# KiCad board B1_panel.kicad_pcb (continued)
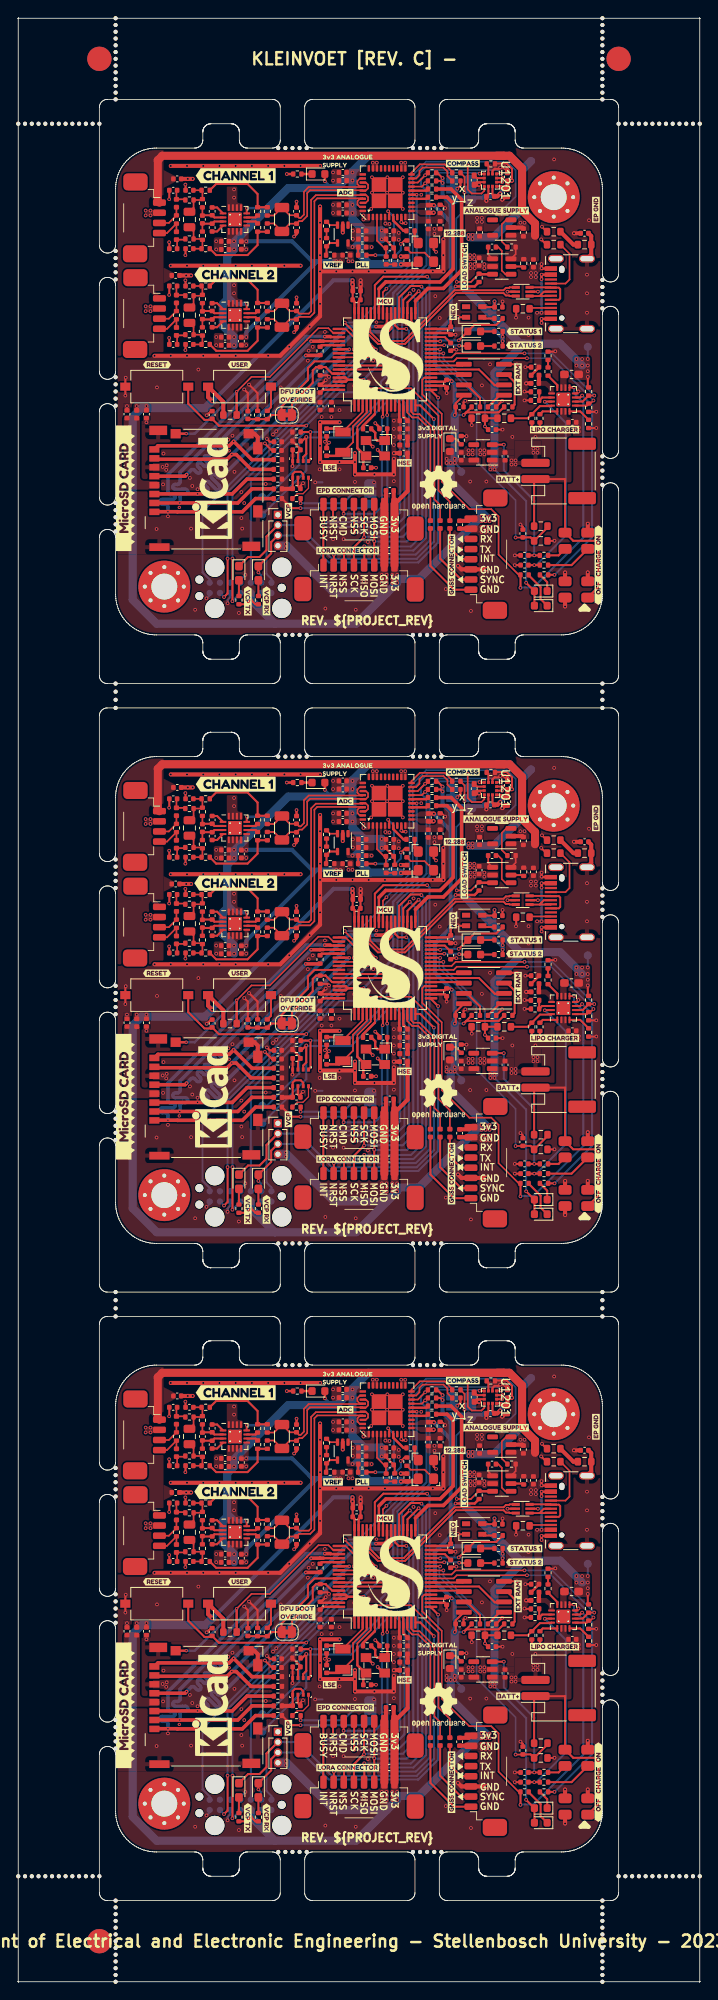
[diagram p0: board, top side]
## Nets (continued)
Board1_1-GND: C101#3.2 C102#3.2 C103#2.2 C104.2 C105#3.2 C106#3.2 C107#2.2 C201.2 C202#2.2 C203#2.2 C204.2 C205#2.2 C206#2.2 C306#2.2 C401#3.2 C402.2 C403.2 C404.2 C405#2.2 C406#3.2 C407.2 C408#2.2 C409.2 C410.2 C411#3.2 C412.2 C415.2 C416.2 C417.2 C501#2.2 C502#3.1 C601.2 C602#2.1 C701#2.2 C702.2 C705#2.2 C708#3.1 C709#2.1 C711#2.2 C712.2 C801.2 C802#3.2 C805#2.2 C808.1 C809#3.1 C811#2.2 C812.2 C901.2 C902#2.2 C903.2 C904#2.2 C905.2 C906.2 C907#3.2 C908#3.2 C909#2.2 C910#2.2 C911#3.2 C1201.1 C1202#2.2 CB101#2.2 CB102.2 CB103#3.2 CB104.2 CB105.2 CB106.2 CB107#2.1 CB108.2 CB201.2 CB401.2 CB901#2.2 CB902.2 CB903.2 CB904#2.2 CB906#3.2 CB907#3.2 CB1201#2.2 CB1202#2.2 CB1301#2.2 CB1409#2.2 CB1410.2 D105.2 H201.1 H202#2.1 J201.2 J202#3.5 J202#3.7 J202#3.11 J203#3.1 J204#3.6 J204#3.9 J204#3.11 J205.2 J206.A1 J206.A12 J206.B1 J206.B12 J207#2.2 J301#3.2 J301#3.6 J501.3 J601.3 JP401#2.1 JP402.1 JP1401.1 R1.1 R101#2.2 R208#2.1 R209#3.1 R210#2.1 R403.2 R901#2.2 R903#2.2 R904.2 R906#3.2 R907#3.2 R909#3.2 R914#3.2 R916.2 R917.2 R918#2.1 R919#2.1 R1303#2.2 SW101#3.2 SW901#3.2 SW901#3.4 SW901#3.5 SW901#3.6 U101#2.12 U101#2.18 U101#2.31 U101#2.47 U101#2.63 U201#3.2 U401#3.1 U401#3.5 U401#3.9 U401#3.11 U401#3.21 U401#3.22 U401#3.28 U401#3.29 U401#3.EP U402#3.2 U701.13 U701.14 U701.15 U701.16 U701.17 U801.13 U801.14 U801.15 U801.16 U801.17 U901.8 U901.17 U902.2 U903#2.2 U904.2 U1201#3.2 U1201#3.6 U1201#3.8 U1201#3.11 U1201#3.12 U1301#2.4 U1401#2.1 U1401#2.7 X401#3.2 Y101#2.2 Y101#2.4
Board1_1-Net-(C104-Pad1): C104.1 R106.1 Y101#2.3
Board1_1-Net-(D101-A): D101.2 R102#3.2
Board1_1-Net-(D102-A): D102#3.2 R103#3.2
Board1_1-Net-(D103-A): D103.2 R105.1
Board1_1-Net-(D104-A): D104#3.2 R107#2.1
Board1_1-Net-(D105-DIN): D105.3 R104#3.1
Board1_1-Net-(D901-K): D901.1 R905.2
Board1_1-Net-(D902-K): D902#3.1 R908.2
Board1_1-Net-(D903-K): D903.1 R918#2.2
Board1_1-Net-(D904-K): D904#3.1 R919#2.2
Board1_1-Net-(J301-Pin_5): FB304#3.2 J301#3.5
Board1_1-Net-(JP401-C): JP401#2.2 R408.2
Board1_1-Net-(JP402-C): JP402.2 R407.2
Board1_1-Net-(R108-Pad2): R108#2.2 SW102.2
Board1_1-Net-(R210-Pad2): R210#2.2 R211#2.1
Board1_1-Net-(R902-Pad2): R902#3.2 R903#2.1
Board1_1-Net-(U401-ADDR0/CLATCH): R407.1 U401#3.19
Board1_1-Net-(U401-ADDR1/CIN): R408.1 U401#3.20
Board1_1-Net-(U903-EN): R921#3.1 U903#2.3
Board1_1-Net-(U904-QOD): R922.1 U904.5
Board1_1-Net-(U1301-NU): R1301#2.2 U1301#2.3
Board1_1-Net-(U1301-~{CS}): R1303#2.1 U1301#2.1
Board1_1-Net-(U1301-~{HOLD}): R1302#2.2 U1301#2.7
Board1_1-Net-(X401-Tri-State): R404#3.2 X401#3.1
Board1_1-unconnected-(D105-DOUT-Pad1): D105.1
Board1_1-unconnected-(J202-JRCLK/NC-Pad9): J202#3.9
Board1_1-unconnected-(J202-JTDI/NC-Pad10): J202#3.10
Board1_1-unconnected-(J202-NC-Pad1): J202#3.1
Board1_1-unconnected-(J202-NC-Pad2): J202#3.2
Board1_1-unconnected-(J206-SBU1-PadA8): J206.A8
Board1_1-unconnected-(J206-SBU2-PadB8): J206.B8
Board1_1-unconnected-(J301-Pin_3-Pad3): J301#3.3
Board1_1-unconnected-(J301-Pin_4-Pad4): J301#3.4
Board1_1-unconnected-(U401-NC-Pad8): U401#3.8
Board1_1-unconnected-(U401-NC-Pad23): U401#3.23
Board1_1-unconnected-(U401-NC-Pad24): U401#3.24
Board1_1-unconnected-(U401-NC-Pad25): U401#3.25
Board1_1-unconnected-(U401-NC-Pad26): U401#3.26
Board1_1-unconnected-(U401-NC-Pad27): U401#3.27
Board1_1-unconnected-(U401-NC-Pad30): U401#3.30
Board1_1-unconnected-(U401-SDATAOUT1-Pad13): U401#3.13
Board1_1-unconnected-(U902-NC-Pad4): U902.4
Board1_1-unconnected-(U903-NC-Pad4): U903#2.4
Board1_1-VAA: C202#2.1 FB201#3.2 J204#3.4
Board1_1-VBUS: C904#2.1 FB903.1 J206.A4 J206.A9 J206.B4 J206.B9 U201#3.5
Board1_1-VCC: C906.1 C907#3.1 C912.2 CB108.1 D105.4 D901.2 D902#3.2 F901.2 R912#3.2 TP902.1 U902.1 U904.1
Board1_1-VCC_LOAD_SWITCH: C416.1 C417.1 C905.1 C911#3.1 J501.4 J601.4 R921#3.2 R922.2 U903#2.1 U904.6
Board1_2-+3.3VA: C902.1 CB901#3.1 CB902#3.1 FB901#2.2 U101.13
Board1_2-+3.3VADC: C401.1 C402#2.1 C403#3.1 C405#3.1 C406.1 C407#3.1 C414#3.2 C415#2.1 C708.2 C712#2.1 C808#3.2 C812#2.1 C910.1 CB401#3.1 D903#3.2 R404.1 R413#2.2 R414#3.2 TP904.1 U401.4 U401.31 U401.40 U402#2.5 U701#3.5 U701#3.6 U701#3.7 U701#3.8 U701#3.12 U801#2.5 U801#2.6 U801#2.7 U801#2.8 U801#2.12 U903#3.5 X401.4
Board1_2-+3V3: C103.1 C107.1 C201#3.1 C204#2.1 C205.1 C206.1 C306.1 C408#3.1 C901#3.1 C909#3.1 C1202.1 CB101.1 CB103.1 CB104#3.1 CB105#2.1 CB106#3.1 CB201#3.1 CB1201#3.1 CB1202.1 CB1301.1 CB1409#3.1 CB1410#2.1 D904#2.2 FB201#2.1 FB901#2.1 J202.3 J203.4 J205#3.1 J207#3.1 J301#2.1 JP401.3 JP402#2.3 JP1401#3.3 R102#2.1 R103#2.1 R105#2.2 R107.2 R201#3.2 R202#3.2 R203.2 R204#3.2 R205.2 R206.1 R410#2.2 R412#3.2 R920.2 R1201#3.1 R1301#3.1 R1302.1 R1401#2.2 R1402#3.2 SW102#3.1 TP903#3.1 U101.1 U101.19 U101.32 U101.48 U101.64 U401.12 U902#3.5 U1201#2.9 U1201#2.10 U1301.8 U1401#3.2 U1401#3.6 U1401#3.8
Board1_2-+BATT: C903#3.1 J201#2.1 R913#2.1 SW901.1 SW901.8 U901#2.2 U901#2.3
Board1_2-/ADC_Interface/ADC_1_N: C710.2 C711.1 R710#2.1 U401.32 U401.34
Board1_2-/ADC_Interface/ADC_1_P: C709#3.2 C710.1 R709.1 U401.33 U401.35
Board1_2-/ADC_Interface/ADC_2_N: C810#2.2 C811.1 R810#3.1 U401.36 U401.38
Board1_2-/ADC_Interface/ADC_2_P: C809.2 C810#2.1 R809#3.1 U401.37 U401.39
Board1_2-/ADC_Interface/ADC_AA_1/FB: C706#2.1 U701#3.4
Board1_2-/ADC_Interface/ADC_AA_1/FB_N: C701.1 C703#3.2 R701.1 R703.2 R705.2
Board1_2-/ADC_Interface/ADC_AA_1/FB_P: C702#3.1 C703#3.1 R702#3.1 R704#3.2 R706.2
Board1_2-/ADC_Interface/ADC_AA_1/IN: C704#3.1 C707#3.2 R704#3.1 U701#3.2
Board1_2-/ADC_Interface/ADC_AA_1/OUT: R707.2 U701#3.10
Board1_2-/ADC_Interface/ADC_AA_1/OUT_DRIVER: R705.1 R707.1 R709.2
Board1_2-/ADC_Interface/ADC_AA_1/~{FB}: C707#3.1 U701#3.1
Board1_2-/ADC_Interface/ADC_AA_1/~{IN}: C704#3.2 C706#2.2 R703.1 U701#3.3
Board1_2-/ADC_Interface/ADC_AA_1/~{OUT_DRIVER}: R706.1 R708#3.1 R710#2.2
Board1_2-/ADC_Interface/ADC_AA_1/~{OUT}: R708#3.2 U701#3.11
Board1_2-/ADC_Interface/ADC_AA_2/FB: C806#3.1 U801#2.4
Board1_2-/ADC_Interface/ADC_AA_2/FB_N: C801#2.1 C803.2 R801#3.1 R803#3.2 R805.2
Board1_2-/ADC_Interface/ADC_AA_2/FB_P: C802.1 C803.1 R802#3.1 R804#3.2 R806#2.2
Board1_2-/ADC_Interface/ADC_AA_2/IN: C804#2.1 C807#3.2 R804#3.1 U801#2.2
Board1_2-/ADC_Interface/ADC_AA_2/OUT: R807.2 U801#2.10
Board1_2-/ADC_Interface/ADC_AA_2/OUT_DRIVER: R805.1 R807.1 R809#3.2
Board1_2-/ADC_Interface/ADC_AA_2/~{FB}: C807#3.1 U801#2.1
Board1_2-/ADC_Interface/ADC_AA_2/~{IN}: C804#2.2 C806#3.2 R803#3.1 U801#2.3
Board1_2-/ADC_Interface/ADC_AA_2/~{OUT_DRIVER}: R806#2.1 R808.1 R810#3.2
Board1_2-/ADC_Interface/ADC_AA_2/~{OUT}: R808.2 U801#2.11
Board1_2-/ADC_Interface/ADC_PORT_1_SIG_N: C502#2.2 FB502#3.2 R701.2
Board1_2-/ADC_Interface/ADC_PORT_1_SIG_P: C501#3.1 FB501#3.2 R702#3.2
Board1_2-/ADC_Interface/ADC_PORT_2_SIG_N: C602.2 FB602#3.2 R801#3.2
Board1_2-/ADC_Interface/ADC_PORT_2_SIG_P: C601#3.1 FB601#2.2 R802#3.2
Board1_2-/ADC_Interface/ADC_VDD: C411.1 C412#2.1 R403#2.1 U401.10
Board1_2-/ADC_Interface/ADC_~{RST}: R413#2.1 U401.6
Board1_2-/ADC_Interface/BCLK: R409#2.2 U401.16
Board1_2-/ADC_Interface/CLK: R405#2.1 U401.7
Board1_2-/ADC_Interface/CLK_12.288: R405#2.2 X401.3
Board1_2-/ADC_Interface/FB: R401#3.2 U402#2.3
Board1_2-/ADC_Interface/FB_MID: R401#3.1 R402#2.2
Board1_2-/ADC_Interface/PLL: C413#3.1 C414#3.1 U401.3
Board1_2-/ADC_Interface/PLL_MID: C413#3.2 R414#3.1
Board1_2-/ADC_Interface/SDATA: R411#2.2 U401.14
Board1_2-/ADC_Interface/Sensor_Conn_1/SIG_CONN_N: FB502#3.1 J501#2.1 R501#2.2
Board1_2-/ADC_Interface/Sensor_Conn_1/SIG_CONN_P: FB501#3.1 J501#2.2 R501#2.1
Board1_2-/ADC_Interface/Sensor_Conn_2/SIG_CONN_N: FB602#3.1 J601#3.1 R601#3.2
Board1_2-/ADC_Interface/Sensor_Conn_2/SIG_CONN_P: FB601#2.1 J601#3.2 R601#3.1
Board1_2-/ADC_Interface/VCM: C404#3.1 C705#3.1 C805.1 R406#2.1 U701#3.9 U801#2.9
Board1_2-/ADC_Interface/VREF: C409#3.1 C410#2.1 U401.2 U402#2.1
Board1_2-/ADC_Interface/VREF_BUFF: R402#2.1 R406#2.2 U402#2.4
Board1_2-/ADC_SAI_BCLK: R409#2.1 U101.33
Board1_2-/ADC_SAI_FS: U101.61 U101.62 U401.15
Board1_2-/ADC_SAI_SD_B: R411#2.1 U101.42
Board1_2-/BATT_~{CHG}: R908#2.1 U101.20 U901#2.9
Board1_2-/BOOT0: JP101#3.1 R101#3.1 U101.60
Board1_2-/CHARGE_EN1: R912#2.1 U101.25 U901#2.6
Board1_2-/CHARGE_EN2: R917#2.1 U101.24 U901#2.5
Board1_2-/CompassMagnetometer/CHARGE_PUMP: C1201#2.2 U1201#2.5
Board1_2-/CompassMagnetometer/~{CS}: R1201#3.2 U1201#2.3
Board1_2-/CONN_MISO: J205#3.4 U101.35
Board1_2-/CONN_MOSI: J205#3.3 J207#3.3 U101.36
Board1_2-/CONN_SCK: J205#3.5 J207#3.4 U101.34
Board1_2-/Connectors/SDIO_CLK_TERM: J204.5 R207#2.1
Board1_2-/Connectors/USB_CC1: J206#2.A5 R209.2
Board1_2-/Connectors/USB_CC2: J206#2.B5 R208.2
Board1_2-/Connectors/USB_CONN_D+: J206#2.A6 J206#2.B6 U201.4
Board1_2-/Connectors/USB_CONN_D-: J206#2.A7 J206#2.B7 U201.6
Board1_2-/EnviromentalSensor/I2C_ADDR: R1403#3.1 U1401#3.5
Board1_2-/EnviromentalSensor/I2C_ADDR_SEL: JP1401#3.2 R1403#3.2
Board1_2-/EPD_BUSY: J207#3.8 U101.10
Board1_2-/EPD_~{CMD}: J207#3.6 U101.8
Board1_2-/EPD_~{RST}: J207#3.7 U101.9
Board1_2-/EPD_~{SS}: J207#3.5 U101.38
Board1_2-/GNSS_Module/GPS_RX: FB102#3.1 J301#2.7
Board1_2-/GNSS_Module/GPS_TX: FB101.1 J301#2.8
Board1_2-/GPS_RX: FB102#3.2 U101.15
Board1_2-/GPS_SYNC: FB304#2.1 U101.2
Board1_2-/GPS_TX: FB101.2 U101.14
Board1_2-/I2C1_SCL: R410#2.1 R1402#3.1 TP407.1 U101.58 U401.18 U1201#2.1 U1401#3.4
Board1_2-/I2C1_SDA: R412#3.1 R1401#2.1 TP406#3.1 U101.59 U401.17 U1201#2.4 U1401#3.3
Board1_2-/I_CHARGE: CB907.1 R915.2 R916#3.1 U101.26
Board1_2-/LED_STATUS_B: D103#2.1 R104#2.2 U101.29
Board1_2-/LED_STATUS_O: D104.1 U101.28
Board1_2-/LORA_INT: J205#3.8 U101.11
Board1_2-/LORA_~{RST}: J205#3.7 U101.43
Board1_2-/LORA_~{SS}: J205#3.6 U101.37
Board1_2-/MAG_INT: U101.56 U1201#2.7
Board1_2-/OSC_HSE_IN: C102.1 U101.5 Y101.1
Board1_2-/OSC_HSE_OUT: R106#2.2 U101.6
Board1_2-/OSC_LSE_IN: C106.1 U101.3 Y102#2.2
Board1_2-/OSC_LSE_OUT: C105.1 U101.4 Y102#2.1
Board1_2-/Power/C_{T}: C912#3.1 U904#2.4
Board1_2-/Power/DPWR_SW: R911#3.2 SW901.7
Board1_2-/Power/ILIM: R902.1 U901#2.12
Board1_2-/Power/ISET: R901.1 R915.1 U901#2.16
Board1_2-/Power/PWR_SW: R910#2.1 SW901.3
Board1_2-/Power/SYSOFF: CB903#3.1 R910#2.2 U901#2.15
Board1_2-/Power/TEMP_SENS: R909.1 U901#2.1
Board1_2-/Power/TMR: R904#2.1 R906.1 U901#2.14
Board1_2-/Power/VOUT: F901#2.1 U901#2.10 U901#2.11
Board1_2-/Power/~{CE}: R907.1 U901#2.4
Board1_2-/Power/~{PGOOD}: R905#3.1 U901#2.7
Board1_2-/SDIO_CD: J204.10 R206.2 U101.50
Board1_2-/SDIO_CLK: R207#2.2 U101.53
Board1_2-/SDIO_CMD: J204.3 R203.1 U101.54
Board1_2-/SDIO_D0: J204.7 R204#3.1 U101.39
Board1_2-/SDIO_D1: J204.8 R205.1 U101.40
Board1_2-/SDIO_D2: J204.1 R201#3.1 U101.51
Board1_2-/SDIO_D3: J204.2 R202#3.1 U101.52
Board1_2-/SRAM_MISO: U101.22 U1301.2
Board1_2-/SRAM_MOSI: U101.23 U1301.5
Board1_2-/SRAM_SCK: U101.21 U1301.6
Board1_2-/SWCLK: J202.6 U101.49
Board1_2-/SWDIO: J202.4 U101.46
Board1_2-/SWO: J202.8 U101.55
Board1_2-/USB_DN: U101.44 U201.1
Board1_2-/USB_DP: U101.45 U201.3
Board1_2-/USR_BTN: CB107.2 JP101#3.2 R1#2.2 R108.1 U101.57
Board1_2-/V_MONITOR: CB906#2.1 R913#2.2 R914.1 U101.27
Board1_2-/VCAP: C101.1 U101.30
Board1_2-/VCP_RX: D101#3.1 J202.13 J203.3 U101.17
Board1_2-/VCP_TX: D102#2.1 J202.14 J203.2 U101.16
Board1_2-/~{RST}: CB102#2.1 J202.12 SW101.1 U101.7
Board1_2-Earth: C203.1 J206#2.S1 R211#3.2
Board1_2-GND: C101.2 C102.2 C103.2 C104#2.2 C105.2 C106.2 C107.2 C201#3.2 C202#3.2 C203.2 C204#2.2 C205.2 C206.2 C306.2 C401.2 C402#2.2 C403#3.2 C404#3.2 C405#3.2 C406.2 C407#3.2 C408#3.2 C409#3.2 C410#2.2 C411.2 C412#2.2 C415#2.2 C416#3.2 C417#3.2 C501#3.2 C502#2.1 C601#3.2 C602.1 C701.2 C702#3.2 C705#3.2 C708.1 C709#3.1 C711.2 C712#2.2 C801#2.2 C802.2 C805.2 C808#3.1 C809.1 C811.2 C812#2.2 C901#3.2 C902.2 C903#3.2 C904.2 C905#2.2 C906#2.2 C907#2.2 C908#2.2 C909#3.2 C910.2 C911#2.2 C1201#2.1 C1202.2 CB101.2 CB102#2.2 CB103.2 CB104#3.2 CB105#2.2 CB106#3.2 CB107.1 CB108#3.2 CB201#3.2 CB401#3.2 CB901#3.2 CB902#3.2 CB903#3.2 CB904#3.2 CB906#2.2 CB907.2 CB1201#3.2 CB1202.2 CB1301.2 CB1409#3.2 CB1410#2.2 D105#3.2 H201#2.1 H202.1 J201#2.2 J202.5 J202.7 J202.11 J203.1 J204.6 J204.9 J204.11 J205#3.2 J206#2.A1 J206#2.A12 J206#2.B1 J206#2.B12 J207#3.2 J301#2.2 J301#2.6 J501#2.3 J601#3.3 JP401.1 JP402#2.1 JP1401#3.1 R1#2.1 R101#3.2 R208.1 R209.1 R210#3.1 R403#2.2 R901.2 R903.2 R904#2.2 R906.2 R907.2 R909.2 R914.2 R916#3.2 R917#2.2 R918.1 R919.1 R1303#3.2 SW101.2 SW901.2 SW901.4 SW901.5 SW901.6 U101.12 U101.18 U101.31 U101.47 U101.63 U201.2 U401.1 U401.5 U401.9 U401.11 U401.21 U401.22 U401.28 U401.29 U401.EP U402#2.2 U701#3.13 U701#3.14 U701#3.15 U701#3.16 U701#3.17 U801#2.13 U801#2.14 U801#2.15 U801#2.16 U801#2.17 U901#2.8 U901#2.17 U902#3.2 U903#3.2 U904#2.2 U1201#2.2 U1201#2.6 U1201#2.8 U1201#2.11 U1201#2.12 U1301.4 U1401#3.1 U1401#3.7 X401.2 Y101.2 Y101.4
Board1_2-Net-(C104-Pad1): C104#2.1 R106#2.1 Y101.3
Board1_2-Net-(D101-A): D101#3.2 R102#2.2
Board1_2-Net-(D102-A): D102#2.2 R103#2.2
Board1_2-Net-(D103-A): D103#2.2 R105#2.1
Board1_2-Net-(D104-A): D104.2 R107.1
Board1_2-Net-(D105-DIN): D105#3.3 R104#2.1
Board1_2-Net-(D901-K): D901#3.1 R905#3.2
Board1_2-Net-(D902-K): D902.1 R908#2.2
Board1_2-Net-(D903-K): D903#3.1 R918.2
Board1_2-Net-(D904-K): D904#2.1 R919.2
Board1_2-Net-(J301-Pin_5): FB304#2.2 J301#2.5
Board1_2-Net-(JP401-C): JP401.2 R408#2.2
Board1_2-Net-(JP402-C): JP402#2.2 R407#2.2
Board1_2-Net-(R108-Pad2): R108.2 SW102#3.2
Board1_2-Net-(R210-Pad2): R210#3.2 R211#3.1
Board1_2-Net-(R902-Pad2): R902.2 R903.1
Board1_2-Net-(U401-ADDR0/CLATCH): R407#2.1 U401.19
Board1_2-Net-(U401-ADDR1/CIN): R408#2.1 U401.20
Board1_2-Net-(U903-EN): R921#2.1 U903#3.3
Board1_2-Net-(U904-QOD): R922#2.1 U904#2.5
Board1_2-Net-(U1301-NU): R1301#3.2 U1301.3
Board1_2-Net-(U1301-~{CS}): R1303#3.1 U1301.1
Board1_2-Net-(U1301-~{HOLD}): R1302.2 U1301.7
Board1_2-Net-(X401-Tri-State): R404.2 X401.1
Board1_2-unconnected-(D105-DOUT-Pad1): D105#3.1
Board1_2-unconnected-(J202-JRCLK/NC-Pad9): J202.9
Board1_2-unconnected-(J202-JTDI/NC-Pad10): J202.10
Board1_2-unconnected-(J202-NC-Pad1): J202.1
Board1_2-unconnected-(J202-NC-Pad2): J202.2
Board1_2-unconnected-(J206-SBU1-PadA8): J206#2.A8
Board1_2-unconnected-(J206-SBU2-PadB8): J206#2.B8
Board1_2-unconnected-(J301-Pin_3-Pad3): J301#2.3
Board1_2-unconnected-(J301-Pin_4-Pad4): J301#2.4
Board1_2-unconnected-(U401-NC-Pad8): U401.8
Board1_2-unconnected-(U401-NC-Pad23): U401.23
Board1_2-unconnected-(U401-NC-Pad24): U401.24
Board1_2-unconnected-(U401-NC-Pad25): U401.25
Board1_2-unconnected-(U401-NC-Pad26): U401.26
Board1_2-unconnected-(U401-NC-Pad27): U401.27
Board1_2-unconnected-(U401-NC-Pad30): U401.30
Board1_2-unconnected-(U401-SDATAOUT1-Pad13): U401.13
Board1_2-unconnected-(U902-NC-Pad4): U902#3.4
Board1_2-unconnected-(U903-NC-Pad4): U903#3.4
Board1_2-VAA: C202#3.1 FB201#2.2 J204.4
Board1_2-VBUS: C904.1 FB903#3.1 J206#2.A4 J206#2.A9 J206#2.B4 J206#2.B9 U201.5
Board1_2-VCC: C906#2.1 C907#2.1 C912#3.2 CB108#3.1 D105#3.4 D901#3.2 D902.2 F901#2.2 R912#2.2 TP902#3.1 U902#3.1 U904#2.1
Board1_2-VCC_LOAD_SWITCH: C416#3.1 C417#3.1 C905#2.1 C911#2.1 J501#2.4 J601#3.4 R921#2.2 R922#2.2 U903#3.1 U904#2.6

Pads without a net: J201 MP; J201#2 MP; J201#3 MP

## Via types
v1: diameter 0.45, hole 0.25, Top to Bottom, 1449 vias
v2: diameter 0.4, hole 0.2, Top to Bottom, 57 vias

## Routing (per net, layer and track width the routed paths; a pad name or vN(x,y) marks a point on that pad's centre or on a via; arc(x,y) is an arc through that point)
Board1_0-/AVCC_EN: length 56.7
  Top w0.2: R920#3.1 55.79,209.5 v1(54.05,209.5) ; v1(45.38,208.67) 44.95,208.23 U101#3.41
  Top w0.3: R920#3.1 56.86,210.45 U904#3.3
  Bottom w0.2: v1(45.38,208.67) 45.38,208.68 48.22,211.53 48.22,222.28 50.28,224.32 60.25,224.32 61.3,223.27 61.3,220 59.5,218.2 54.87,218.2 54,217.33 54,209.55 v1(54.05,209.5)
Board1_0-/Power/DVCC_EN: length 18
  Top w0.25: R911#2.1 v1(63.6,175.8) CB904.1 ; v1(59.85,189.45) 58.43,189.45 U902#2.3
  Bottom w0.25: v1(63.6,175.8) 63.6,182.55 59.85,186.3 v1(59.85,189.45)
Board1_0-/Power/VBUS_CLEAN: length 1
  Top w0.5: C908.1 64.19,197 FB903#2.2
Board1_1-/AVCC_EN: length 56.7
  Top w0.2: v1(54.05,134.5) 55.79,134.5 R920#2.1 ; U101#2.41 44.95,133.23 v1(45.38,133.67)
  Top w0.3: U904.3 56.86,135.45 R920#2.1
  Bottom w0.2: v1(54.05,134.5) 54,134.55 54,142.33 54.87,143.2 59.5,143.2 61.3,145 61.3,148.27 60.25,149.32 50.28,149.32 48.22,147.28 48.22,136.53 45.38,133.68 v1(45.38,133.67)
Board1_1-/Power/DVCC_EN: length 18
  Top w0.25: v1(59.85,114.45) 58.43,114.45 U902.3 ; CB904#2.1 v1(63.6,100.8) R911.1
  Bottom w0.25: v1(63.6,100.8) 63.6,107.55 59.85,111.3 v1(59.85,114.45)
Board1_1-/Power/VBUS_CLEAN: length 1
  Top w0.5: C908#3.1 64.19,122 FB903.2
Board1_2-/AVCC_EN: length 56.7
  Top w0.2: v1(45.38,58.67) 44.95,58.23 U101.41 ; R920.1 55.79,59.5 v1(54.05,59.5)
  Top w0.3: R920.1 56.86,60.45 U904#2.3
  Bottom w0.2: v1(54.05,59.5) 54,59.55 54,67.33 54.87,68.2 59.5,68.2 61.3,70 61.3,73.27 60.25,74.32 50.28,74.32 48.22,72.28 48.22,61.53 45.38,58.68 v1(45.38,58.67)
Board1_2-/Power/DVCC_EN: length 18
  Top w0.25: v1(59.85,39.45) 58.43,39.45 U902#3.3 ; CB904#3.1 v1(63.6,25.8) R911#3.1
  Bottom w0.25: v1(63.6,25.8) 63.6,32.55 59.85,36.3 v1(59.85,39.45)
Board1_2-/Power/VBUS_CLEAN: length 1
  Top w0.5: C908#2.1 64.19,47 FB903#3.2
Board1_0-+3.3VA: length 3.1
  Top w0.3: CB902#2.1 47.98,192.44 47.45,192.97 U101#3.13
  Top w0.5: FB901.2 47.98,189.41 C902#3.1
Board1_0-+3.3VADC: length 114.6
  Top w0.2: R404#2.1 47.58,214.61 v1(47.16,214.18)
  Top w0.25: U701#2.12 28.16,218.56 v1(28.2,218.6) ; U801#3.12 28.16,206.76 v1(28.2,206.8) ; C415#3.1 41.89,213.77 R413.2 ; R414.2 46.4,213.59 45.32,214.67 C403#2.1
  Top w0.3: D903#2.2 37.8,222.79 v1(37.8,221.9)
  Top w0.5: X401#2.4 48.97,211.67 CB401#2.1 47.19,211.67 v1(47.17,211.65)
  Bottom w0.25: 43.3,211.7 45.42,211.7 47.16,213.44 v1(47.16,214.18)
  Bottom w0.3: v1(28.2,218.6) 30.8,218.6 31,218.8 ; 39.28,221.07 38.62,221.07 v1(37.8,221.9)
  Bottom w0.5: 42.15,214.43 41.83,214.43 v1(41.2,213.8) ; v1(28.2,206.8) 26.95,206.8 25.75,208
  Bottom w1: TP904#3.1 62.3,223.5 62.1,223.5 ; v1(41.2,223) v1(41.2,222) v1(41.2,219) v1(41.2,218) 41.2,217.24 ; v1(41.2,223) 39.28,221.07 33.28,221.07 26.6,214.4 v1(26.6,213.51) 25.75,212.66 25.75,207.32 25.2,206.77 25.2,204.11 v1(26.6,202.71) v1(26.6,201.71) ; v1(41.2,223) 41.2,223.11 43.14,225.05 60.55,225.05 62.1,223.5 ; 62.1,223.5 62.1,218.5 58.6,215 55.65,215 ; v1(44.8,214.75) v1(44.8,215.85) 42.59,215.85 41.2,217.24 ; 42.15,214.43 42.15,216.29 41.2,217.24 ; 42.15,215.7 42.15,212.85 43.3,211.7 47.12,211.7
  vias: v1(26.6,214.51) v1(55.5,215.3) v1(55.5,214.8) v1(56,215.3) v1(56,214.8)
Board1_0-+3V3: length 290.7
  Top w0.25: v1(53.8,193.1) 53.92,193.22 CB1301#3.1 53.92,194.54 U1301#3.8 ; CB1409.1 33.82,184.03 33.82,185.82 34.1,186.1 34.82,186.1 35.12,185.8 U1401.6 ; v1(52.3,222.3) 51.65,222.95 R410#3.2 ; R1301.1 59.22,193.43 55.23,193.43 v1(54.9,193.1) 55.89,194.09 R1302#3.1 ; v1(34.79,181.62) 33.69,181.62 R201#2.2 ; v1(59.71,202.75) R105#3.2 ; U1201.9 58.45,220.28 CB1202#3.1 ; 34.47,187.43 34.47,188.5 CB1410#3.1 34.78,188.91 R1401#3.2 ; v1(60.85,221.97) 60.86,221.99 60.86,223.44 60.2,224.1 58.81,224.1 R1201.1 ; U1201.10 59.46,221.29 v1(59.6,221.15) ; CB105#3.1 41.22,208.38 C107#3.1 ; 53.44,197.37 v1(53.44,197.26) 53.27,197.43 CB104#2.1 ; v1(52.3,221.7) 52.05,221.95 R412.2 ; R107#3.2 59.71,202.19 v1(59.7,202.2) ; 27.2,169.78 28.12,169.78 v1(28.67,170.33) 29.22,169.78 29.6,169.78
  Top w0.3: CB105#3.1 41.45,207.07 U101#3.48 ; R920#3.2 56.25,208.94 v1(53.9,208.94) ; U101#3.64 37.55,196.21 CB103#2.1 ; CB104#2.1 52.58,197.21 U101#3.19 ; v1(53.3,204.9) CB101#3.1 53.03,203.71 U101#3.32
  Top w0.5: C901#2.1 47.98,183.7 J207.1 46.28,182.19 C205#3.1 ; R206#3.1 25.28,194.72 SW102#2.1 23.4,195.3 v1(23.9,194.8) ; C306#3.1 55.53,180.06 J301.1 ; CB1409.1 33.79,184 R202#2.2 ; v1(51.23,218.95) 51.2,218.98 C408.1 ; v1(41.2,209.7) v1(41.2,209.2) 41.24,209.16 C107#3.1 ; v1(59.4,220.4) 59.05,220.05 CB1202#3.1 ; v1(59.6,221.15) 59.82,220.93 CB1201.1 C1202#3.1 60.31,221.97 v1(60.85,221.97)
  Top w1: J207.1 J205#2.1
  Bottom w0.25: v1(53.8,187.2) 54.6,186.4 TP903.1 ; JP1401#2.3 42.92,181.62 v1(34.79,181.62) ; v1(59.71,202.75) 59.7,202.74 v1(59.7,202.2) ; v1(53.8,193.1) v1(54.9,193.1)
  Bottom w0.3: v1(53.9,208.94) 53.3,208.34 53.3,207.1 ; v1(36.2,195.6) 35.9,195.3 v1(35.9,195.2) v1(31.8,191.1) v1(31.4,190.7)
  Bottom w0.5: v1(41.2,209.7) 38.85,209.7 23.95,194.8 v1(23.9,194.8) ; 53.3,219.15 52.3,220.15 v1(52.3,221.7) v1(52.3,222.3) ; 53.3,219.15 53.3,218.8 ; 53.3,219.15 53.3,219.9 57.25,219.9 57.45,220.1 57.95,220.1 57.95,220.1 59.1,220.1 v1(59.4,220.4) 59.6,220.6 v1(59.6,221.15) ; 53.3,218.8 53.3,219.4 ; 53.3,218.8 53.3,216.75 ; v1(51.23,218.95) 53.3,216.88 53.3,216.75 ; v1(59.7,202.2) 59.7,202.6 58.62,203.68 52.07,203.68 ; 53.3,216.75 v1(53.3,204.9) 52.07,203.68 ; 52.07,203.68 51.35,202.95 51.35,199.35 53.8,196.9 v1(53.8,193.1)
  Bottom w1: 45.44,171.16 41.65,167.37 31.63,167.37 ; 45.44,171.16 46.7,172.43 46.6,172.5 v1(46.7,172.9) 49.4,172.9 v1(57.1,180.6) v1(57.6,180.6) 53.3,184.9 v1(53.3,187.2) ; 45.44,171.16 38.94,171.16 33.11,176.99 J203#2.4 ; v1(53.8,187.7) v1(53.8,193.1) ; v1(23.9,194.8) 23.05,193.95 15.2,193.95 14.1,192.85 14.1,170.33 17.06,167.37 31.63,167.37 ; 31.63,167.37 v1(28.67,170.33) J202#2.3
  vias: v1(14.6,194.2) v1(15.8,194.2) v1(33,177.2) v1(33,176.7) v1(46.1,173.4) v1(46.1,172.9) v1(46.1,172.4) v1(46.7,173.4) v1(46.7,172.4) v1(52.8,187.7) v1(52.8,187.2) v1(57.1,180) v1(57.6,180) v1(58.1,180.6) v1(58.1,180)
Board1_0-+BATT: length 27.9
  Top w0.25: SW901#2.1 71.5,171.9 71.5,177.2 71.1,177.6 68.4,177.6 SW901#2.8 67.4,185.2 J201#3.1 63.58,185.03 R913#3.1
Board1_0-/ADC_Interface/ADC_1_N: length 17.9
  Top w0.2: R710.1 31.51,217.69 C710#2.2 33.46,217.72 C711#3.1 34.62,217.4 34.82,217.4 35.21,217.8 35.21,220.61 35.8,221.2 42.41,221.2 U401#2.34 42.11,221.25 41.8,221.56 41.8,221.94 42.11,222.25 U401#2.32
Board1_0-/ADC_Interface/ADC_1_P: length 17.9
  Top w0.2: U401#2.33 42.85,221.75 43.12,221.49 43.12,221.04 42.82,220.75 U401#2.35 42.41,220.8 35.97,220.8 35.61,220.45 35.61,217.63 34.98,217 34.62,217 C709.2 33.46,216.68 C710#2.1 31.51,216.71 R709#2.1
Board1_0-/ADC_Interface/ADC_2_N: length 28.8
  Top w0.2: R810.1 31.51,205.89 C810#3.2 33.46,205.92 C811#3.1 34.62,205.6 35.82,205.6 36.1,205.88 36.1,219.61 36.69,220.2 42.41,220.2 U401#2.36 42.82,220.25 43.12,219.96 43.12,219.54 42.82,219.25 U401#2.38
Board1_0-/ADC_Interface/ADC_2_P: length 28.8
  Top w0.2: R809#2.1 31.51,204.91 C810#3.1 33.46,204.88 C809#2.2 34.62,205.2 35.98,205.2 36.5,205.72 36.5,219.45 36.85,219.8 42.41,219.8 U401#2.37 42.11,219.75 41.81,219.46 41.81,219.03 42.1,218.75 U401#2.39
Board1_0-/ADC_Interface/ADC_AA_1/FB: length 1.6
  Top w0.25: U701#2.4 24.51,215.72 C706#3.1
Board1_0-/ADC_Interface/ADC_AA_1/FB_N: length 4.9
  Top w0.2: C701#3.1 R705#2.2 22.7,213.71 R703#3.2 22.59,214.8 R701#3.1 21.61,215.74 C703.2
Board1_0-/ADC_Interface/ADC_AA_1/FB_P: length 4.9
  Top w0.2: C703.1 21.61,218.66 R702.1 22.59,219.6 R704.2 22.7,220.69 R706#2.2 C702#2.1
Board1_0-/ADC_Interface/ADC_AA_1/IN: length 3.7
  Top w0.2: R704.1 C704#2.1
  Top w0.25: U701#2.2 24.17,217.45 C707#2.2 22.74,217.72 C704#2.1
Board1_0-/ADC_Interface/ADC_AA_1/OUT: length 1.4
  Top w0.25: R707#3.2 29.26,216.95 U701#2.10
Board1_0-/ADC_Interface/ADC_AA_1/OUT_DRIVER: length 9.6
  Top w0.25: R705#2.1 24.4,212.81 28.26,212.81 29.5,214.05 R707#3.1 R709#2.2
Board1_0-/ADC_Interface/ADC_AA_1/~{FB}: length 1.6
  Top w0.25: C707#2.1 24.51,218.68 U701#2.1
Board1_0-/ADC_Interface/ADC_AA_1/~{IN}: length 3.7
  Top w0.2: R703#3.1 C704#2.2
  Top w0.25: C704#2.2 22.74,216.68 C706#3.2 24.17,216.95 U701#2.3
Board1_0-/ADC_Interface/ADC_AA_1/~{OUT_DRIVER}: length 9.6
  Top w0.25: R710.2 R708.1 ; R706#2.1 24.38,221.57 28.26,221.57 29.5,220.34 29.5,218.7
Board1_0-/ADC_Interface/ADC_AA_1/~{OUT}: length 1.4
  Top w0.25: U701#2.11 29.26,217.45 R708.2
Board1_0-/ADC_Interface/ADC_AA_2/FB: length 1.6
  Top w0.25: C806#2.1 24.51,203.92 U801#3.4
Board1_0-/ADC_Interface/ADC_AA_2/FB_N: length 4.9
  Top w0.2: C803#2.2 21.61,203.94 R801#2.1 22.59,203 R803#2.2 22.7,201.91 R805#3.2 C801#3.1
Board1_0-/ADC_Interface/ADC_AA_2/FB_P: length 4.9
  Top w0.2: C803#2.1 21.61,206.86 R802.1 22.59,207.8 R804#2.2 22.7,208.89 R806#3.2 C802#2.1
Board1_0-/ADC_Interface/ADC_AA_2/IN: length 3.7
  Top w0.2: R804#2.1 C804.1
  Top w0.25: C804.1 22.74,205.92 C807.2 24.17,205.65 U801#3.2
Board1_0-/ADC_Interface/ADC_AA_2/OUT: length 1.4
  Top w0.25: U801#3.10 29.26,205.15 R807#2.2
Board1_0-/ADC_Interface/ADC_AA_2/OUT_DRIVER: length 9.6
  Top w0.25: R809#2.2 R807#2.1 29.5,202.25 28.26,201.01 24.4,201.01 R805#3.1
Board1_0-/ADC_Interface/ADC_AA_2/~{FB}: length 1.6
  Top w0.25: U801#3.1 24.51,206.88 C807.1
Board1_0-/ADC_Interface/ADC_AA_2/~{IN}: length 3.7
  Top w0.2: R803#2.1 C804.2
  Top w0.25: C804.2 22.74,204.88 C806#2.2 24.17,205.15 U801#3.3
Board1_0-/ADC_Interface/ADC_AA_2/~{OUT_DRIVER}: length 9.6
  Top w0.25: R806#3.1 24.38,209.78 28.26,209.78 29.5,208.54 29.5,206.9 ; R810.2 R808#2.1
Board1_0-/ADC_Interface/ADC_AA_2/~{OUT}: length 1.4
  Top w0.25: R808#2.2 29.26,205.65 U801#3.11
Board1_0-/ADC_Interface/ADC_PORT_1_SIG_N: length 2.3
  Top w0.2: R701#3.2 20.5,214.72 FB502.2 19.58,214.63 C502.2